# Allegro board BeagleBoard-X15_RevA2.brd (continued)
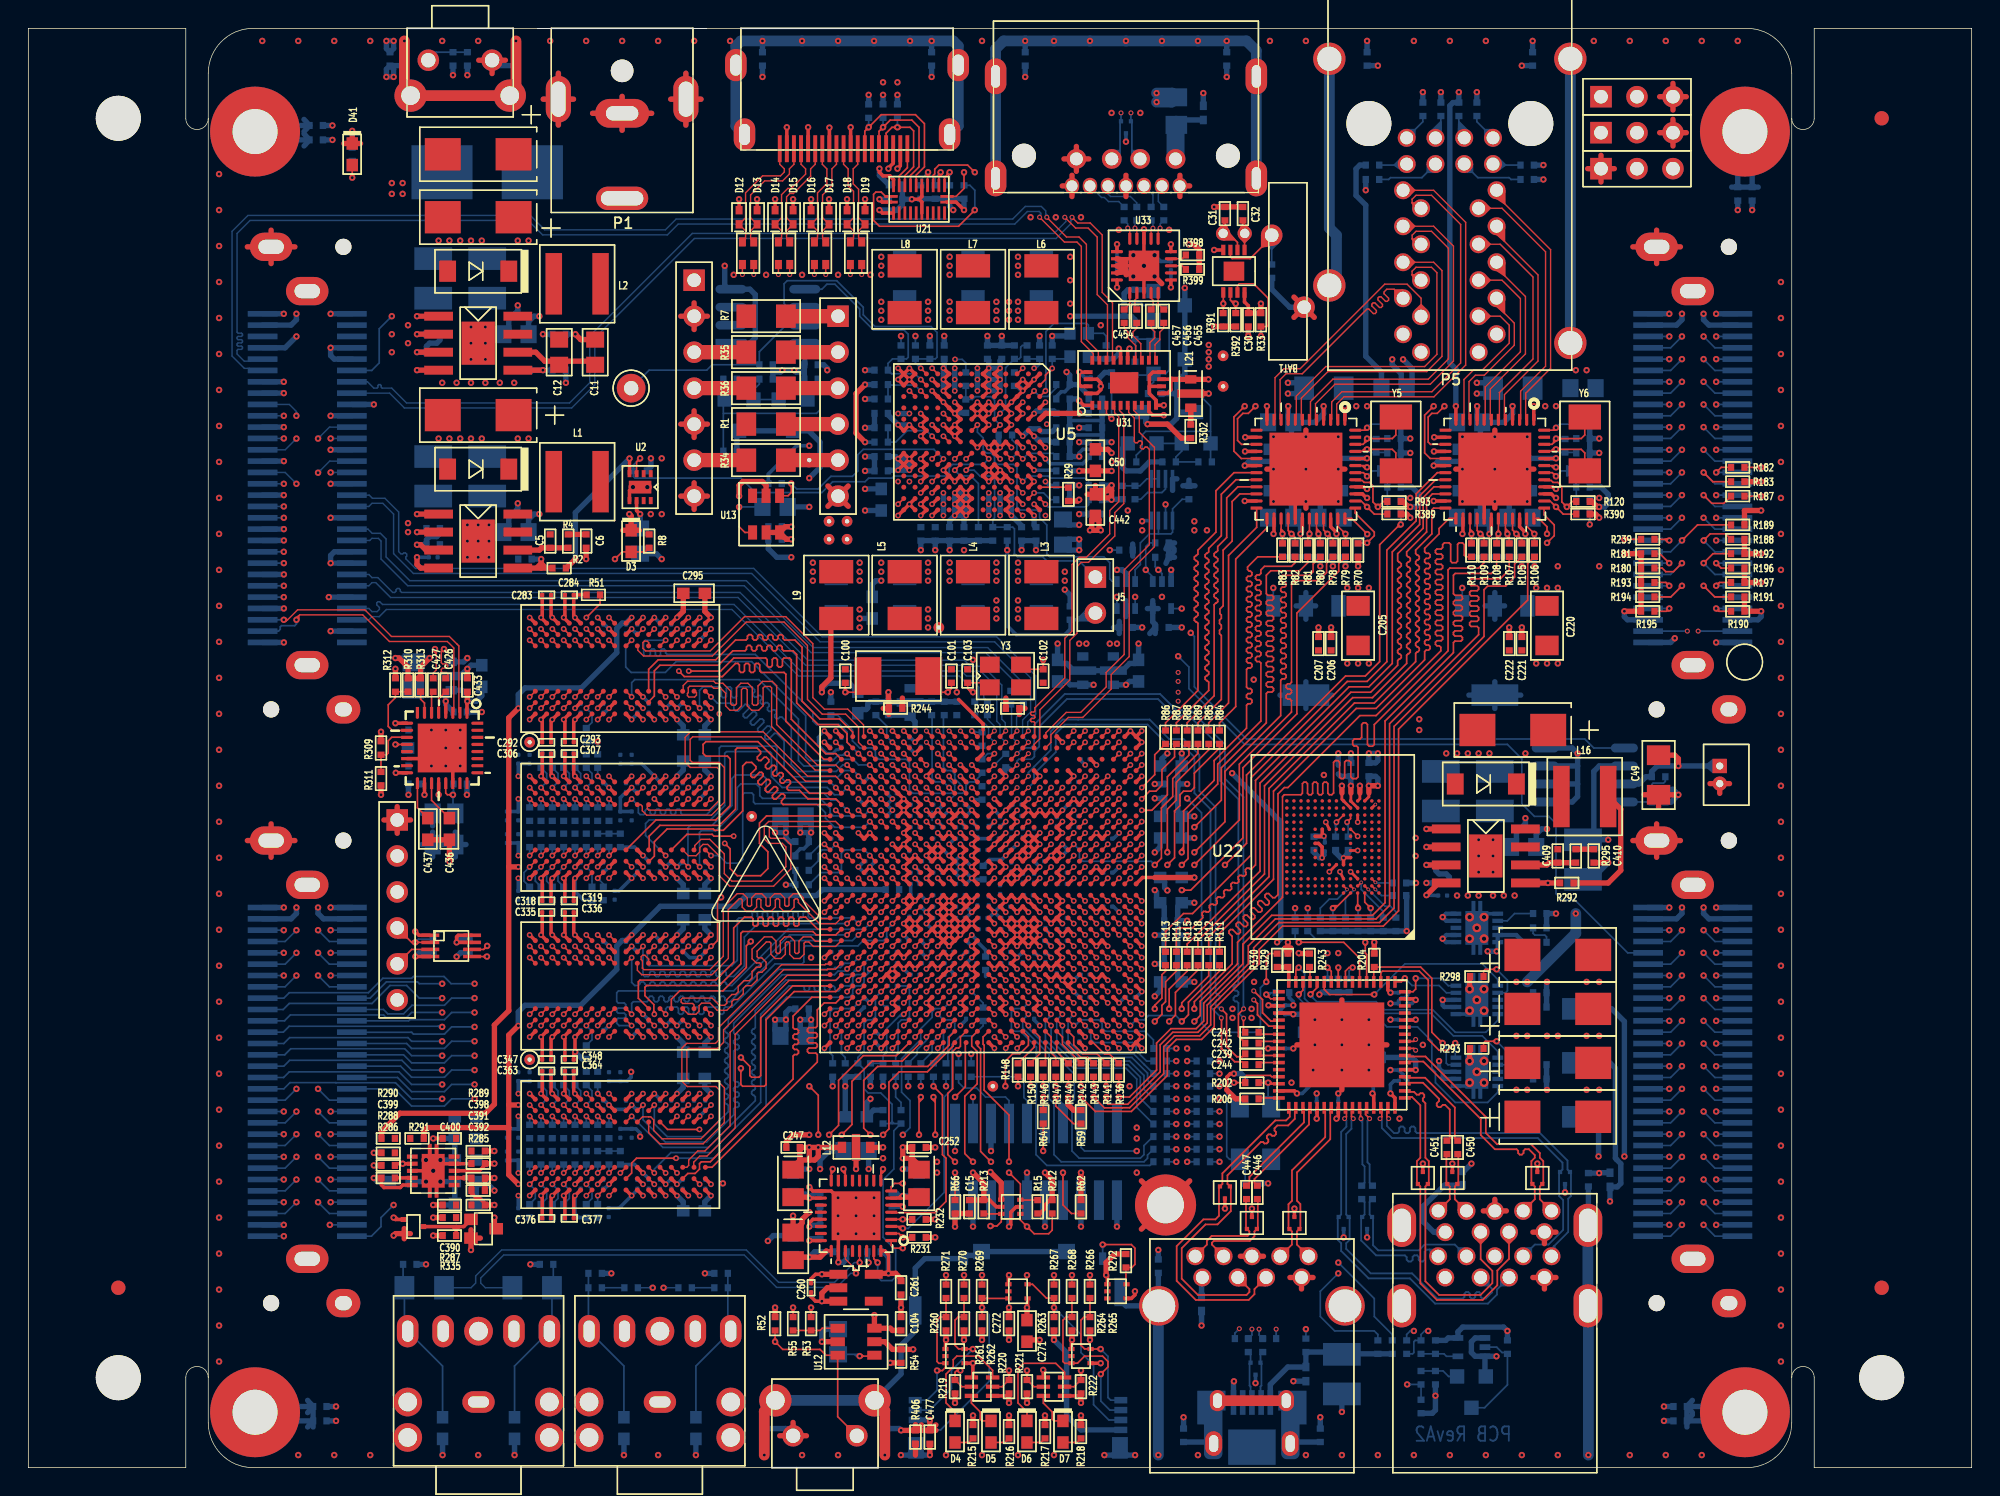
[diagram p0: board, top side]
## Routing (per net, layer and track width the routed paths; a pad name or vN(x,y) marks a point on that pad's centre or on a via; arc(x,y) is an arc through that point) (continued)
CON_MMC1_DAT3: length 13.3
  TOP w0.12: v2(75.69,6.6) 76.2,7.11 76.2,7.49 75.82,7.87 74.55,7.87 74.05,7.37 D22.3 73.61,7.37 73.15,7.37 73.03,7.49 73.03,10.41 73.25,10.63 R264.2 R268.2
  BOTTOM w0.12: P12.2 76.33,4.06 75.69,4.7 v2(75.69,6.6)
CONN_SATA_RXN: length 1.4
  TOP w0.102: U33.12 79.24,87.35 v3(79.38,87.49)
  BOTTOM w0.102: v3(79.38,87.49) 79.38,87.92 C418.2
CONN_SATA_RXP: length 1.5
  TOP w0.102: U33.11 79.74,87.36 v3(79.88,87.5)
  BOTTOM w0.102: v3(79.88,87.5) 79.88,87.79 C420.2
CONN_SATA_TXN: length 1.4
  TOP w0.102: v3(78.11,87.5) 78.24,87.37 U33.14
  BOTTOM w0.102: C417.2 78.11,87.92 v3(78.11,87.5)
CONN_SATA_TXP: length 1.5
  TOP w0.102: U33.15 77.74,87.36 v3(77.6,87.5)
  BOTTOM w0.102: C416.1 77.6,87.79 v3(77.6,87.5)
CPU_NMIN: length 5.6
  TOP w0.12: U11.D21 v1(61.79,32.01)
  BOTTOM w0.12: v1(61.79,32.01) 61.6,32.01 60.59,31 60.59,29.34 60.33,29.08 R46.2 R47.1
CPU_POR_RESETN: length 79
  TOP w0.12: R53.2 v2(55.25,11.3)
  INT_L3 w0.094: v2(76.33,64.77) 76.33,61.96 v2(76.82,61.47) 76.82,60.57 75.82,59.56 75.82,49.91 76.58,49.15 76.58,47.88 76.84,47.62 77.09,47.62 77.34,47.37 77.34,47.12 78.41,46.05 78.66,46.05 78.99,45.72 78.99,25.91 77.47,24.38 77.47,14.22 75.31,12.06 57.02,12.06 56.26,11.3 v2(55.25,11.3)
  BOTTOM w0.12: v2(76.33,64.77) R41.2 ; U9.6 v2(76.82,61.47)
CPU_RESETN: length 80.7
  TOP w0.12: R55.1 v2(53.98,11.3)
  INT_L3 w0.094: v2(53.98,11.3) 54.48,10.79 56.26,10.79 57.28,11.81 75.56,11.81 77.72,13.97 77.72,24.13 79.25,25.65 79.25,30.61 79.99,31.35 79.99,48.28 79.5,48.77 79.5,51.82 78.74,52.58 78.74,58.17 79.25,58.67 79.25,60.45 78.74,60.96 78.74,63.25 v2(78.87,63.37)
  BOTTOM w0.12: R42.2 79.12,65.28 78.87,65.02 v2(78.87,63.37) 79.36,62.88 U10.1
DCAN1_RX: length 61.8
  TOP w0.12: U11.G19 v1(63.39,34.41)
  SIG_L10 w0.094: v2(20.45,25.14) 20.8,25.49 21.48,25.49 21.67,25.31 29.3,25.31 32.64,21.97 33.15,21.97 33.91,21.21 33.91,18.8 34.54,18.16 48.39,18.16 50.55,20.32 50.55,25.02 55.75,30.23 55.75,32.13 56.8,33.18 62.77,33.18 62.99,33.4 62.99,34.04 63.36,34.41 v1(63.39,34.41)
  BOTTOM w0.12: P17.20 21.25,24.34 v2(20.45,25.14)
DCAN1_TX: length 62.9
  TOP w0.12: U11.G20 v1(62.59,34.41)
  SIG_L10 w0.094: v2(18.92,25.14) 19.5,25.71 21.57,25.71 21.76,25.53 30.23,25.53 34.16,21.59 34.16,18.92 34.67,18.41 48.26,18.41 50.29,20.45 50.29,25.15 53.98,28.83 53.98,31.88 56.13,34.03 62.22,34.03 62.59,34.39 v1(62.59,34.41)
  BOTTOM w0.12: v2(18.92,25.14) 18.12,24.34 P17.50
DDR1_A0: length 51.4
  TOP w0.12: U11.AD20 v1(62.59,48.81) ; v1(37.78,58.41) U23.N3 ; v1(37.78,47.21) U24.N3
  INT_L3 w0.094: v1(37.78,58.41) 37.78,57.91 38.61,57.09 38.61,55.88 37.38,54.65 37.38,47.61 v1(37.78,47.21)
  SIG_L5 w0.094: v1(37.78,58.41) 37.78,58.64 38.18,59.04 38.18,59.37 38.42,59.61 40.34,59.61 40.63,59.32 40.63,58.05 43.81,54.86 43.81,52.58 45.59,50.8 52.58,50.8 56.55,46.83 63.59,46.83 63.81,47.05 63.81,48.08 63.5,48.39 63,48.39 v1(62.59,48.81)
  BOTTOM w0.12: R364.1 v1(37.78,47.21)
DDR1_A1: length 51.4
  TOP w0.12: v1(36.98,43.21) U24.P7 ; v1(36.98,54.41) U23.P7 ; U11.AC19 v1(63.39,48.01)
  SIG_L10 w0.094: v1(63.39,48.01) 63.39,48.23 63.76,48.61 63.76,51.43 63.61,51.58 63.23,51.58 62.99,51.82 62.99,53.21 58.55,57.66 38.1,57.66 36.45,56.01 36.45,54.94 v1(36.98,54.41) 36.58,54.01 36.58,52.52 37.03,52.07 37.03,49.66 36.58,49.21 36.58,46.81 37.03,46.35 37.03,44.39 36.58,43.94 36.58,43.61 v1(36.98,43.21)
  BOTTOM w0.12: R365.1 v1(36.98,43.21)
DDR1_A2: length 51.5
  TOP w0.12: U11.AC20 v1(62.59,48.01) ; v1(36.98,58.41) U23.P3 ; v1(36.98,47.21) U24.P3
  INT_L3 w0.094: v1(36.98,58.41) 36.98,57.91 37.85,57.05 37.85,55.88 36.58,54.62 36.58,47.61 v1(36.98,47.21)
  SIG_L5 w0.094: v1(62.59,48.01) 62.2,48.39 60.83,48.39 60.58,48.64 60.58,49.02 60.33,49.28 55.37,49.28 52.83,51.82 46.28,51.82 45.34,52.75 45.34,57.28 44.58,58.04 44.58,60.2 43.94,60.83 37.85,60.83 37.38,60.37 37.38,59.04 36.98,58.64 v1(36.98,58.41)
  BOTTOM w0.12: R371.1 v1(36.98,47.21)
DDR1_A3: length 51.9
  TOP w0.12: v1(37.78,48.01) U24.N2 ; U11.AB19 v1(63.39,47.21) ; v1(37.78,59.21) U23.N2
  SIG_L5 w0.094: v1(63.39,47.21) 63.01,47.58 60.11,47.58 59.82,47.88 59.82,48.13 59.56,48.39 55.63,48.39 52.7,51.31 45.85,51.31 44.58,52.58 44.58,57.02 44.13,57.47 42.1,57.47 41.91,57.66 41.91,60.2 41.66,60.45 38.4,60.45 38.18,60.23 38.18,59.79 37.78,59.39 v1(37.78,59.21) 37.78,59.08 37.38,58.68 37.38,57.91 37.85,57.45 37.85,55.33 37.38,54.86 37.38,52.45 37.85,51.99 37.85,49.74 37.38,49.28 37.38,48.41 v1(37.78,48.01)
  BOTTOM w0.12: v1(37.78,48.01) 38.18,48.41 38.18,49 R376.1
DDR1_A4: length 52.1
  TOP w0.12: v1(36.98,42.41) U24.P8 ; v1(36.98,53.61) U23.P8 ; U11.AF21 v1(61.79,50.41)
  SIG_L8 w0.094: v1(61.79,50.41) 62.21,49.98 62.21,48.62 61.97,48.38 56.46,48.38 56.38,48.3 56.38,48.09 56.3,48.01 56.18,48.01 56.1,48.09 56.1,48.3 56.01,48.38 55.9,48.38 55.82,48.3 55.82,48.09 55.73,48.01 55.62,48.01 55.53,48.09 55.53,48.3 55.45,48.38 55.33,48.38 55.25,48.3 55.25,48.09 55.17,48.01 55.05,48.01 54.97,48.09 54.97,48.3 54.89,48.38 54.77,48.38 54.69,48.3 54.69,48.09 54.61,48.01 54.49,48.01 54.41,48.09 54.41,48.3 54.32,48.38 54.21,48.38 54.12,48.3 54.12,48.09 54.04,48.01 53.92,48.01 53.84,48.09 53.84,48.3 53.76,48.38 53.64,48.38 53.56,48.3 53.56,48.09 53.48,48.01 53.36,48.01 53.28,48.09 53.28,48.3 53.2,48.38 53.08,48.38 53,48.3 53,48.09 52.91,48.01 52.8,48.01 52.71,48.09 52.71,48.3 52.63,48.38 52.51,48.38 52.43,48.3 52.43,48.09 52.35,48.01 50.16,48.01 48.51,49.66 40.26,49.66 39.78,50.13 39.78,53.82 39.59,54.01 U23.P8 v1(36.98,53.61) 36.58,53.21 36.58,52.32 37.08,51.82 37.08,49.78 36.58,49.28 36.58,46.74 37.08,46.23 37.08,44.19 36.58,43.69 36.58,42.81 v1(36.98,42.41)
  BOTTOM w0.12: v1(36.98,42.41) 36.58,42.01 36.58,41.41 R366.1
DDR1_A5: length 52.2
  TOP w0.12: v1(36.98,59.21) U23.P2 ; U11.AH22 v1(60.99,52.01) ; v1(36.98,48.01) U24.P2
  SIG_L5 w0.094: v1(36.98,59.21) 36.98,59.08 36.58,58.68 36.58,57.91 37.08,57.41 37.08,55.37 36.58,54.86 36.58,52.45 37.08,51.95 37.08,49.78 36.58,49.28 36.58,48.41 v1(36.98,48.01)
  SIG_L8 w0.094: v1(36.98,59.21) 36.58,58.8 36.58,57.12 36.67,57.02 37.4,57.02 37.48,57.11 37.48,57.32 37.56,57.4 37.68,57.4 37.76,57.32 37.76,57.11 37.84,57.02 37.96,57.02 38.04,57.11 38.04,57.32 38.13,57.4 38.24,57.4 38.32,57.32 38.32,57.11 38.41,57.02 38.52,57.02 38.61,57.11 38.61,57.32 38.69,57.4 38.81,57.4 38.89,57.32 38.89,57.11 38.97,57.02 39.09,57.02 39.17,57.11 39.17,57.32 39.25,57.4 39.37,57.4 39.45,57.32 39.45,57.11 39.54,57.02 39.65,57.02 39.73,57.11 39.73,57.32 39.82,57.4 39.93,57.4 40.02,57.32 40.02,57.11 40.1,57.02 40.22,57.02 40.3,57.11 40.3,57.32 40.38,57.4 40.5,57.4 40.58,57.32 40.58,57.11 40.66,57.02 40.78,57.02 40.86,57.11 40.86,57.32 40.95,57.4 41.06,57.4 41.14,57.32 41.14,57.11 41.23,57.02 41.34,57.02 41.43,57.11 41.43,57.32 41.51,57.4 41.63,57.4 41.71,57.32 41.71,57.12 41.8,57.02 47.62,57.02 48.01,56.64 48.01,56.52 47.93,56.45 47.93,56.33 48.02,56.25 48.13,56.25 48.21,56.32 48.32,56.32 48.41,56.24 48.41,56.12 48.33,56.05 48.33,55.93 48.42,55.85 48.53,55.85 48.61,55.92 48.72,55.92 48.81,55.84 48.81,55.73 48.73,55.65 48.73,55.53 48.81,55.45 48.93,55.45 49.01,55.53 49.12,55.53 49.2,55.44 49.2,55.33 49.13,55.25 49.13,55.14 49.21,55.05 49.33,55.05 49.4,55.13 49.52,55.13 49.6,55.04 49.6,54.93 49.53,54.85 49.53,54.74 49.61,54.65 49.73,54.65 49.8,54.73 49.92,54.73 50,54.65 50,54.53 49.93,54.46 49.93,54.34 50.01,54.26 50.13,54.26 50.2,54.33 50.32,54.33 50.4,54.25 50.4,54.13 50.33,54.06 50.33,53.94 50.41,53.86 50.53,53.86 50.6,53.93 50.72,53.93 50.8,53.85 50.8,53.73 50.73,53.66 50.73,53.54 50.81,53.46 50.93,53.46 51,53.53 51.12,53.53 51.2,53.45 51.2,53.33 51.12,53.26 51.12,53.14 51.21,53.06 51.32,53.06 51.4,53.13 51.51,53.13 52.01,52.64 60.35,52.64 v1(60.99,52.01)
  BOTTOM w0.12: v1(36.98,48.01) 37.38,48.41 37.38,49 R367.1
DDR1_A6: length 52.6
  TOP w0.12: v1(36.18,53.61) U23.R8 ; U11.AG23 v1(60.19,51.21) ; v1(36.18,42.41) U24.R8
  SIG_L8 w0.094: v1(36.18,42.41) 35.78,42.81 35.78,43.69 36.2,44.1 36.2,46.32 35.78,46.74 35.78,49.28 36.32,49.82 36.32,51.78 35.78,52.32 35.78,53.21 v1(36.18,53.61) 35.78,54.01 35.78,54.83 36.2,55.24 41.02,55.24 41.4,54.86 41.4,50.67 41.66,50.42 48.77,50.42 49.53,49.66 54.26,49.66 54.35,49.74 54.35,49.96 54.43,50.04 54.55,50.04 54.63,49.96 54.63,49.74 54.71,49.66 54.83,49.66 54.91,49.74 54.91,49.96 54.99,50.04 55.11,50.04 55.19,49.96 55.19,49.74 55.27,49.66 55.39,49.66 55.47,49.74 55.47,49.96 55.56,50.04 55.67,50.04 55.76,49.96 55.76,49.74 55.84,49.66 55.96,49.66 56.04,49.74 56.04,49.96 56.12,50.04 56.24,50.04 56.32,49.96 56.32,49.74 56.4,49.66 56.52,49.66 56.6,49.74 56.6,49.96 56.68,50.04 56.8,50.04 56.88,49.96 56.88,49.74 56.97,49.66 57.08,49.66 57.45,50.03 61.2,50.03 61.36,50.19 61.36,50.65 61.21,50.8 60.83,50.8 60.43,51.21 v1(60.19,51.21)
  BOTTOM w0.12: R381.1 35.78,41.41 35.78,42.01 v1(36.18,42.41)
DDR1_A7: length 52.1
  TOP w0.12: U11.AE21 v1(61.79,49.61) ; v1(36.18,59.21) U23.R2 ; v1(36.18,48.01) U24.R2
  SIG_L5 w0.094: v1(61.79,49.61) 61.36,50.03 61.36,50.52 61.09,50.8 55.12,50.8 53.15,52.77 50.36,52.77 49.4,53.72 49.4,59.31 47.12,61.59 37.08,61.59 35.78,60.29 35.78,59.61 v1(36.18,59.21) 35.78,58.81 35.78,57.91 36.32,57.37 36.32,55.4 35.78,54.86 35.78,52.45 36.2,52.04 36.2,49.69 35.78,49.28 35.78,48.41 v1(36.18,48.01)
  BOTTOM w0.12: R369.1 36.58,49 36.58,48.41 v1(36.18,48.01)
DDR1_A8: length 52.4
  TOP w0.12: v1(35.38,53.61) U23.T8 ; U11.AF22 v1(60.99,50.41) ; v1(35.38,42.41) U24.T8
  SIG_L8 w0.094: v1(35.38,42.41) 34.98,42.81 34.98,43.69 35.43,44.14 35.43,46.41 34.98,46.86 34.98,49.28 34.54,49.71 34.54,52.01 34.98,52.45 34.98,53.21 v1(35.38,53.61) 34.92,54.06 34.92,54.74 35.81,55.63 41.28,55.63 41.78,55.12 41.78,51.05 42.04,50.8 48.89,50.8 49.28,50.42 52.91,50.42 52.99,50.5 52.99,50.72 53.08,50.8 53.19,50.8 53.28,50.72 53.28,50.5 53.36,50.42 53.48,50.42 53.56,50.5 53.56,50.72 53.64,50.8 53.76,50.8 53.84,50.72 53.84,50.5 53.92,50.42 54.15,50.42 54.24,50.5 54.24,50.72 54.32,50.8 54.43,50.8 54.52,50.72 54.52,50.5 54.6,50.42 54.72,50.42 54.8,50.5 54.8,50.72 54.88,50.8 55,50.8 55.08,50.72 55.08,50.5 55.16,50.42 55.28,50.42 55.36,50.5 55.36,50.72 55.45,50.8 55.56,50.8 55.65,50.72 55.65,50.5 55.73,50.42 55.84,50.42 55.93,50.5 55.93,50.72 56.01,50.8 56.13,50.8 56.21,50.72 56.21,50.5 56.29,50.42 56.41,50.42 56.49,50.5 56.49,50.72 56.57,50.8 56.69,50.8 56.77,50.72 56.77,50.5 56.86,50.42 56.97,50.42 57.05,50.5 57.05,50.72 57.14,50.8 60.33,50.8 60.72,50.41 v1(60.99,50.41)
  BOTTOM w0.12: R383.1 34.98,41.41 34.98,42.01 v1(35.38,42.41)
DDR1_A9: length 50.9
  TOP w0.12: v1(36.18,58.41) U23.R3 ; v1(36.18,47.21) U24.R3 ; U11.AE22 v1(60.99,49.61)
  INT_L3 w0.094: v1(36.18,47.21) 35.78,47.61 35.78,54.58 37.08,55.88 37.08,57.01 36.18,57.91 v1(36.18,58.41)
  SIG_L5 w0.094: v1(60.99,49.61) 60.55,50.04 55.25,50.04 52.96,52.32 47.18,52.32 47.01,52.5 47.01,60.18 45.97,61.21 37.21,61.21 36.58,60.59 36.58,59.04 36.18,58.64 v1(36.18,58.41)
  BOTTOM w0.12: R368.1 v1(36.18,47.21)
DDR1_A10: length 51.2
  TOP w0.12: v1(39.38,54.41) U23.L7 ; v1(39.38,43.21) U24.L7 ; U11.AD21 v1(61.79,48.81)
  SIG_L10 w0.094: v1(39.38,43.21) 38.98,43.61 38.98,43.94 39.43,44.39 39.43,46.35 38.98,46.81 38.98,49.21 39.43,49.66 39.43,52.07 38.98,52.52 38.98,54.01 v1(39.38,54.41) 39.38,55.51 40.56,56.69 50.43,56.69 50.93,56.18 50.93,55.96 51.02,55.88 51.13,55.88 51.21,55.96 51.21,56.18 51.3,56.27 51.41,56.27 51.5,56.18 51.5,55.96 51.58,55.88 51.7,55.88 51.78,55.96 51.78,56.18 51.86,56.27 51.98,56.27 52.06,56.18 52.06,55.96 52.14,55.88 52.26,55.88 52.34,55.96 52.34,56.18 52.42,56.27 52.54,56.27 52.62,56.18 52.62,55.96 52.71,55.88 52.82,55.88 52.91,55.96 52.91,56.18 52.99,56.27 53.11,56.27 53.19,56.18 53.19,55.96 53.27,55.88 53.39,55.88 53.47,55.96 53.47,56.18 53.55,56.27 53.67,56.27 53.75,56.18 53.75,55.96 53.83,55.88 53.95,55.88 54.03,55.96 54.03,56.18 54.12,56.27 54.23,56.27 54.32,56.18 54.32,55.96 54.4,55.88 54.52,55.88 54.6,55.96 54.6,56.18 54.68,56.27 54.8,56.27 54.88,56.18 54.88,55.96 54.96,55.88 55.08,55.88 55.16,55.96 55.16,56.18 55.24,56.27 55.36,56.27 55.44,56.18 55.44,55.96 55.53,55.88 55.64,55.88 55.73,55.96 55.73,56.18 55.81,56.27 55.92,56.27 56.01,56.18 56.01,55.96 56.09,55.88 56.21,55.88 56.29,55.96 56.29,56.18 56.37,56.27 56.49,56.27 56.57,56.18 56.57,55.96 56.65,55.88 56.77,55.88 56.85,55.96 56.85,56.18 56.94,56.27 57.91,56.27 58.55,55.63 58.55,54.1 59.18,53.47 60.33,53.47 60.58,53.21 60.58,51.69 60.69,51.58 61.14,51.58 61.36,51.36 61.36,49.23 v1(61.79,48.81)
  BOTTOM w0.12: R373.1 v1(39.38,43.21)
DDR1_A11: length 50.7
  TOP w0.12: v1(36.18,54.41) U23.R7 ; U11.AD22 v1(60.99,48.81) ; v1(36.18,43.21) U24.R7
  SIG_L8 w0.094: v1(36.18,54.41) 36.64,54.86 40.39,54.86 40.58,54.67 40.58,51.43 40.59,51.43 40.59,51.09 40.58,51.09 40.58,50.22 40.77,50.04 48.64,50.04 49.78,48.9 50.36,48.9 50.44,48.98 50.44,49.15 50.52,49.23 50.64,49.23 50.72,49.15 50.72,48.98 50.8,48.9 50.92,48.9 51,48.98 51,49.15 51.09,49.23 51.2,49.23 51.29,49.15 51.29,48.98 51.37,48.9 51.48,48.9 51.57,48.98 51.57,49.15 51.65,49.23 51.77,49.23 51.85,49.15 51.85,48.98 51.93,48.9 52.05,48.9 52.13,48.98 52.13,49.15 52.21,49.23 52.33,49.23 52.41,49.15 52.41,48.98 52.5,48.9 52.61,48.9 52.7,48.98 52.7,49.15 52.78,49.23 52.89,49.23 52.98,49.15 52.98,48.98 53.06,48.9 53.18,48.9 53.26,48.98 53.26,49.15 53.34,49.23 53.46,49.23 53.54,49.15 53.54,48.98 53.62,48.9 53.74,48.9 53.82,48.98 53.82,49.15 53.91,49.23 54.02,49.23 54.1,49.15 54.1,48.98 54.19,48.9 54.3,48.9 54.39,48.98 54.39,49.15 54.47,49.23 54.59,49.23 54.67,49.15 54.67,48.98 54.75,48.9 54.87,48.9 54.95,48.98 54.95,49.15 55.03,49.23 55.15,49.23 55.23,49.15 55.23,48.98 55.32,48.9 55.43,48.9 55.51,48.98 55.51,49.15 55.6,49.23 55.71,49.23 55.8,49.15 55.8,48.98 55.88,48.9 56,48.9 56.08,48.98 56.08,49.15 56.16,49.23 56.28,49.23 56.36,49.15 56.36,48.98 56.44,48.9 56.56,48.9 56.64,48.98 56.64,49.15 56.72,49.23 56.84,49.23 56.92,49.15 56.92,48.98 57.01,48.9 57.12,48.9 57.21,48.98 57.21,49.15 57.29,49.23 60.56,49.23 v1(60.99,48.81)
  SIG_L10 w0.094: v1(36.18,43.21) 35.78,43.61 35.78,43.94 36.23,44.39 36.23,46.35 35.78,46.81 35.78,49.21 36.23,49.66 36.23,52.07 35.78,52.52 35.78,54.01 v1(36.18,54.41)
  BOTTOM w0.12: R380.1 v1(36.18,43.21)
DDR1_A12: length 51.1
  TOP w0.12: v1(37.78,54.41) U23.N7 ; U11.AC21 v1(61.79,48.01) ; v1(37.78,43.21) U24.N7
  SIG_L10 w0.094: v1(61.79,48.01) 62.05,48.01 62.48,48.43 62.78,48.43 62.99,48.64 62.99,51.36 62.72,51.63 62.42,51.63 62.21,51.84 62.21,53.11 61.09,54.23 59.63,54.23 59.29,54.57 59.29,56.03 57.98,57.34 38.41,57.34 37.21,56.13 37.21,54.98 v1(37.78,54.41) 37.38,54.01 37.38,52.52 37.83,52.07 37.83,49.66 37.38,49.21 37.38,46.81 37.83,46.35 37.83,44.39 37.38,43.94 37.38,43.61 v1(37.78,43.21)
  BOTTOM w0.12: R379.1 v1(37.78,43.21)
DDR1_A13: length 51.1
  TOP w0.12: U11.AF18 v1(64.19,50.41) ; v1(35.38,47.21) U24.T3 ; v1(35.38,58.41) U23.T3
  INT_L3 w0.094: v1(35.38,47.21) 34.98,47.61 34.98,54.57 36.32,55.91 36.32,57.02 35.38,57.96 v1(35.38,58.41) 35.78,58.81 35.78,60.17 37.72,62.1 52.07,62.1 58.8,55.37 59.18,55.37 62.16,52.39 62.16,51.89 62.43,51.63 62.7,51.63 62.96,51.36 62.96,51.02 63.18,50.8 63.79,50.8 v1(64.19,50.41)
  BOTTOM w0.12: R370.1 v1(35.38,47.21)
DDR1_A14: length 51.1
  TOP w0.12: v1(35.38,54.41) U23.T7 ; v1(35.38,43.21) U24.T7 ; U11.AE17 v1(64.99,49.61)
  SIG_L10 w0.094: v1(35.38,43.21) 34.98,43.61 34.98,43.94 35.43,44.39 35.43,46.35 34.98,46.81 34.98,49.21 34.54,49.64 34.54,52.08 34.98,52.52 34.98,54.01 v1(35.38,54.41) 35.38,55.45 37.97,58.04 58.8,58.04 64.56,52.28 64.56,50.03 v1(64.99,49.61)
  BOTTOM w0.12: R382.1 v1(35.38,43.21)
DDR1_A15: length 51.4
  TOP w0.12: U11.AD18 v1(64.19,48.81) ; v1(38.58,43.21) U24.M7 ; v1(38.58,54.41) U23.M7
  SIG_L10 w0.094: v1(38.58,43.21) 38.18,43.61 38.18,43.94 38.63,44.39 38.63,46.35 38.18,46.81 38.18,49.21 38.63,49.66 38.63,52.07 38.18,52.52 38.18,54.01 v1(38.58,54.41) 38.58,55.35 40.25,57.01 57.67,57.01 58.93,55.75 58.93,54.36 59.44,53.85 60.58,53.85 61.36,53.06 61.36,51.82 61.6,51.58 61.96,51.58 62.17,51.37 62.17,48.61 61.94,48.39 61.63,48.39 61.41,48.16 61.41,47.81 61.59,47.62 63.62,47.62 63.81,47.82 63.81,48.16 64.19,48.54 v1(64.19,48.81)
  BOTTOM w0.12: R375.1 v1(38.58,43.21)
DDR1_BA0: length 52.3
  TOP w0.12: U11.AF17 v1(64.99,50.41) ; v1(38.58,59.21) U23.M2 ; v1(38.58,48.01) U24.M2
  SIG_L5 w0.094: v1(38.58,59.21) 38.58,59.08 38.18,58.68 38.18,57.91 38.61,57.49 38.61,55.29 38.18,54.86 38.18,52.37 38.61,51.94 38.61,49.7 38.18,49.28 38.18,48.41 v1(38.58,48.01)
  SIG_L8 w0.094: v1(64.99,50.41) 64.99,50.67 64.56,51.09 64.56,51.36 64.34,51.58 64.08,51.58 63.76,51.89 63.76,52.19 62.02,53.93 54.28,53.93 52.99,55.21 52.88,55.21 52.74,55.07 52.62,55.07 52.54,55.16 52.54,55.27 52.68,55.41 52.68,55.53 52.6,55.61 52.48,55.61 52.34,55.47 52.22,55.47 52.14,55.55 52.14,55.67 52.28,55.81 52.28,55.92 52.2,56.01 52.08,56.01 51.94,55.87 51.83,55.87 51.74,55.95 51.74,56.07 51.88,56.21 51.88,56.32 51.8,56.41 51.68,56.41 51.54,56.27 51.43,56.27 51.34,56.35 51.34,56.47 51.48,56.61 51.48,56.72 51.4,56.8 51.28,56.8 51.15,56.67 51.03,56.67 50.95,56.75 50.95,56.87 51.08,57 51.08,57.12 51,57.2 50.88,57.2 50.75,57.07 50.63,57.07 50.55,57.15 50.55,57.27 50.68,57.4 50.68,57.52 50.6,57.6 50.48,57.6 50.35,57.47 50.23,57.47 50.15,57.55 50.15,57.66 50.29,57.8 50.29,57.92 50.2,58 50.09,58 49.95,57.86 49.83,57.86 49.75,57.95 49.75,58.06 49.89,58.2 49.89,58.32 49.8,58.4 49.69,58.4 49.55,58.26 49.43,58.26 49.35,58.35 49.35,58.46 49.49,58.6 49.49,58.72 49.41,58.8 49.29,58.8 49.15,58.66 49.03,58.66 48.95,58.74 48.95,58.86 49.09,59 49.09,59.11 49.01,59.2 48.89,59.2 48.75,59.06 48.64,59.06 48.55,59.14 48.55,59.26 48.69,59.4 48.69,59.51 48.6,59.61 38.98,59.61 v1(38.58,59.21)
  BOTTOM w0.12: R363.1 38.98,49 38.98,48.41 v1(38.58,48.01)
DDR1_BA1: length 52.1
  TOP w0.12: v1(37.78,42.41) U24.N8 ; v1(37.78,53.61) U23.N8 ; U11.AE18 v1(64.19,49.61)
  SIG_L8 w0.094: v1(37.78,42.41) 37.38,42.81 37.38,43.69 37.85,44.15 37.85,46.27 37.38,46.74 37.38,49.28 37.85,49.74 37.85,51.86 37.38,52.32 37.38,53.21 v1(37.78,53.61) 38.18,53.21 38.75,53.21 38.98,52.97 38.98,50.04 39.75,49.28 48.39,49.28 50.42,47.24 52.32,47.24 52.4,47.33 52.4,47.55 52.48,47.63 52.6,47.63 52.68,47.55 52.68,47.33 52.77,47.24 52.88,47.24 52.97,47.33 52.97,47.55 53.05,47.63 53.17,47.63 53.25,47.55 53.25,47.33 53.33,47.24 53.45,47.24 53.53,47.33 53.53,47.55 53.61,47.63 53.73,47.63 53.81,47.55 53.81,47.33 53.89,47.24 54.01,47.24 54.09,47.33 54.09,47.55 54.18,47.63 54.29,47.63 54.38,47.55 54.38,47.33 54.46,47.24 54.57,47.24 54.66,47.33 54.66,47.55 54.74,47.63 54.86,47.63 54.94,47.55 54.94,47.33 55.02,47.24 55.14,47.24 55.22,47.33 55.22,47.55 55.3,47.63 55.42,47.63 55.5,47.55 55.5,47.33 55.59,47.24 55.7,47.24 55.79,47.33 55.79,47.55 55.87,47.63 55.98,47.63 56.07,47.55 56.07,47.33 56.15,47.24 56.27,47.24 56.35,47.33 56.35,47.55 56.43,47.63 62.74,47.63 62.96,47.85 62.96,47.88 63.01,47.92 63.01,48.16 63.23,48.38 63.5,48.38 63.76,48.65 63.76,49.18 v1(64.19,49.61)
  BOTTOM w0.12: v1(37.78,42.41) 37.38,42.01 37.38,41.41 R377.1
DDR1_BA2: length 50.8
  TOP w0.12: v1(38.58,58.41) U23.M3 ; v1(38.58,47.21) U24.M3 ; U11.AB18 v1(64.19,47.21)
  INT_L3 w0.094: v1(38.58,47.21) 38.18,47.61 38.18,54.69 39.37,55.88 39.37,57.12 38.58,57.91 v1(38.58,58.41)
  SIG_L8 w0.094: v1(64.19,47.21) 64.19,47.3 64.61,47.72 64.61,48.23 64.81,48.43 65.14,48.43 65.41,48.69 65.41,49.72 65.14,49.98 64.83,49.98 64.61,50.21 64.61,50.56 64.34,50.83 64.03,50.83 63.81,51.05 63.81,51.36 63.54,51.63 63.23,51.63 63.01,51.85 63.01,52.31 61.71,53.6 53.58,53.6 53.36,53.83 53.36,53.94 53.5,54.08 53.5,54.2 53.42,54.28 53.3,54.28 53.16,54.14 53.05,54.14 52.96,54.22 52.96,54.34 53.1,54.48 53.1,54.59 53.02,54.68 52.9,54.68 52.76,54.54 52.65,54.54 48.38,58.81 44.07,58.81 43.99,58.72 43.99,58.63 43.91,58.55 43.79,58.55 43.71,58.63 43.71,58.72 43.62,58.81 43.51,58.81 43.42,58.72 43.42,58.63 43.34,58.55 43.22,58.55 43.14,58.63 43.14,58.72 43.06,58.81 39.22,58.81 38.82,58.41 v1(38.58,58.41)
  BOTTOM w0.12: R378.1 v1(38.58,47.21)
DDR1_CASN: length 51
  TOP w0.12: v1(40.18,58.41) U23.K3 ; U11.AC18 v1(64.19,48.01) ; v1(40.18,47.21) U24.K3
  INT_L3 w0.094: v1(40.18,47.21) 39.78,47.61 39.78,49.31 41.02,50.55 41.02,52.2 40.58,52.64 40.58,54.74 40.89,55.05 40.89,57.4 40.18,58.12 v1(40.18,58.41)
  SIG_L8 w0.094: v1(40.18,58.41) 40.55,58.04 48.64,58.04 48.8,57.88 48.8,57.77 48.66,57.63 48.66,57.51 48.74,57.43 48.86,57.43 49,57.57 49.11,57.57 49.2,57.48 49.2,57.37 49.06,57.23 49.06,57.11 49.14,57.03 49.26,57.03 49.4,57.17 49.51,57.17 49.59,57.09 49.59,56.97 49.46,56.83 49.46,56.71 49.54,56.63 49.66,56.63 49.79,56.77 49.91,56.77 49.99,56.69 49.99,56.57 49.86,56.43 49.86,56.32 49.94,56.23 50.06,56.23 50.19,56.37 50.31,56.37 50.39,56.29 50.39,56.17 50.25,56.03 50.25,55.92 50.34,55.83 50.45,55.83 50.59,55.97 50.71,55.97 50.79,55.89 50.79,55.77 50.65,55.64 50.65,55.52 50.74,55.44 50.85,55.44 50.99,55.57 51.11,55.57 51.19,55.49 51.19,55.37 51.05,55.24 51.05,55.12 51.13,55.04 51.25,55.04 51.39,55.17 51.51,55.17 51.59,55.09 51.59,54.97 51.45,54.84 51.45,54.72 51.53,54.64 51.65,54.64 51.79,54.78 51.9,54.78 51.99,54.69 51.99,54.58 51.85,54.44 51.85,54.32 51.93,54.24 52.05,54.24 52.19,54.38 52.3,54.38 52.39,54.29 52.39,54.18 52.25,54.04 52.25,53.92 52.33,53.84 52.45,53.84 52.59,53.98 52.7,53.98 52.78,53.9 52.78,53.78 52.65,53.64 52.65,53.52 52.73,53.44 52.85,53.44 52.98,53.58 53.1,53.58 53.4,53.28 61.4,53.28 62.21,52.47 62.21,51.85 62.43,51.63 62.7,51.63 63.01,51.32 63.01,51.05 64.03,50.03 64.3,50.03 64.56,49.76 64.56,48.64 64.26,48.34 64.26,48.26 64.19,48.18 v1(64.19,48.01)
  BOTTOM w0.12: R361.1 v1(40.18,47.21)
DDR1_CKE: length 53.2
  TOP w0.12: v1(40.18,41.61) U24.K9 ; v1(40.18,52.81) U23.K9 ; U11.AG22 v1(60.99,51.21)
  SIG_L10 w0.094: v1(40.18,41.61) 39.78,42.01 39.78,43.94 40.13,44.29 40.13,46.39 39.78,46.74 39.78,49.15 40.26,49.63 40.26,50.45 39.78,50.93 39.78,52.41 v1(40.18,52.81) 40.16,52.81 39.78,53.18 39.78,55.15 40.39,55.75 48.89,55.75 49.61,55.04 49.74,55.04 49.84,55.13 49.84,55.42 49.92,55.5 50.03,55.5 50.12,55.42 50.12,55.1 50.2,55.01 50.32,55.01 50.4,55.1 50.4,55.42 50.48,55.5 50.6,55.5 50.68,55.42 50.68,55.1 50.76,55.01 50.88,55.01 50.96,55.1 50.96,55.42 51.05,55.5 51.16,55.5 51.24,55.42 51.24,55.1 51.33,55.01 51.44,55.01 51.53,55.1 51.53,55.42 51.61,55.5 51.73,55.5 51.81,55.42 51.81,55.1 51.89,55.01 52.01,55.01 52.09,55.1 52.09,55.42 52.17,55.5 52.29,55.5 52.37,55.42 52.37,55.1 52.46,55.01 52.57,55.01 52.65,55.1 52.65,55.42 52.74,55.5 52.85,55.5 52.94,55.42 52.94,55.1 53.02,55.01 53.14,55.01 53.22,55.1 53.22,55.42 53.3,55.5 53.42,55.5 53.5,55.42 53.5,55.1 53.58,55.01 53.7,55.01 53.78,55.1 53.78,55.42 53.86,55.5 53.98,55.5 54.06,55.42 54.06,55.22 54.15,55.14 54.26,55.14 54.35,55.22 54.35,55.42 54.43,55.5 54.55,55.5 54.63,55.42 54.63,55.22 54.71,55.14 54.83,55.14 54.91,55.22 54.91,55.42 54.99,55.5 55.11,55.5 55.19,55.42 55.19,55.22 55.27,55.14 55.39,55.14 55.47,55.22 55.47,55.42 55.56,55.5 55.67,55.5 55.76,55.42 55.76,55.22 55.84,55.14 55.96,55.14 56.04,55.22 56.04,55.42 56.12,55.5 56.23,55.5 56.32,55.41 56.32,55.22 56.4,55.14 58.07,55.14 58.17,55.05 58.17,53.85 58.93,53.09 59.56,53.09 59.76,52.89 59.76,51.09 60.06,50.8 60.58,50.8 60.98,51.21 v1(60.99,51.21)
  BOTTOM w0.12: v1(60.99,51.21) 60.59,51.61 60.59,52.35 R333.1 ; R282.1 40.58,41.21 v1(40.18,41.61)
DDR1_CLK0: length 51.2
  TOP w0.12: U11.AG24 v1(59.39,51.21) ; v1(40.98,54.41) U23.J7 ; v1(40.98,43.21) U24.J7
  SIG_L10 w0.094: v1(59.39,51.21) 59.39,51.48 59.26,51.61 58.7,51.61 56.6,53.7 55.81,53.7 55.73,53.62 55.73,51.88 55.41,51.56 54.84,51.56 54.52,51.88 54.52,53.62 54.44,53.7 54.2,53.7 54.11,53.62 54.11,51.88 53.8,51.56 53.22,51.56 52.91,51.88 52.91,53.62 52.83,53.7 52.58,53.7 52.5,53.62 52.5,51.88 52.18,51.56 51.61,51.56 51.29,51.88 51.29,53.62 51.21,53.7 50.97,53.7 50.88,53.62 50.88,51.88 50.8,51.8 50.57,51.56 49.99,51.56 49.68,51.88 49.68,53.83 48.64,54.86 40.88,54.86 40.68,54.67 40.68,54.54 40.82,54.41 v1(40.98,54.41) 41.15,54.41 41.15,54.41 41.31,54.41 41.55,54.17 41.8,53.92 41.8,44.79 40.58,43.57 40.58,43.3 40.68,43.21 v1(40.98,43.21)
  BOTTOM w0.12: R284.1 v1(40.98,43.21)
DDR1_CLK0N: length 51.3
  TOP w0.12: v1(40.18,54.41) U23.K7 ; U11.AH24 v1(59.39,52.01) ; v1(40.18,43.21) U24.K7
  SIG_L10 w0.094: v1(40.18,43.21) 40.18,43.74 41.4,44.96 41.4,53.75 41.15,54.01 40.82,54.01 40.82,54.01 40.64,54.01 40.63,54.01 40.58,54.01 v1(40.18,54.41) 40.18,54.73 40.71,55.26 48.75,55.26 50.08,53.94 50.08,52.04 50.16,51.96 50.4,51.96 50.48,52.04 50.48,53.79 50.8,54.1 51.38,54.1 51.69,53.79 51.69,52.04 51.77,51.96 52.02,51.96 52.1,52.04 52.1,53.79 52.42,54.1 52.99,54.1 53.31,53.79 53.31,52.04 53.39,51.96 53.63,51.96 53.72,52.04 53.72,53.79 54.03,54.1 54.61,54.1 54.92,53.79 54.92,52.04 55,51.96 55.25,51.96 55.33,52.04 55.33,53.79 55.65,54.1 56.77,54.1 58.87,52.01 v1(59.39,52.01)
  BOTTOM w0.12: R283.1 v1(40.18,43.21)
DDR1_CLK_TERM: length 1.6
  BOTTOM w0.12: R283.2 R284.2 C388.2
DDR1_CSN0: length 52.4
  TOP w0.12: v1(39.38,59.21) U23.L2 ; v1(39.38,48.01) U24.L2 ; U11.AH23 v1(60.19,52.01)
  SIG_L5 w0.094: v1(39.38,59.21) 38.98,58.81 38.98,57.91 39.37,57.52 39.37,55.25 38.98,54.86 38.98,52.46 39.37,52.07 39.37,49.66 38.98,49.28 38.98,48.41 v1(39.38,48.01)
  SIG_L8 w0.094: v1(60.19,52.01) 59.88,52.31 51.45,52.31 51.23,52.53 51.11,52.53 51.04,52.46 50.92,52.46 50.84,52.54 50.84,52.65 50.91,52.73 50.91,52.84 50.83,52.93 50.71,52.93 50.64,52.85 50.52,52.85 50.44,52.94 50.44,53.05 50.52,53.13 50.52,53.24 50.43,53.33 50.32,53.33 50.24,53.25 50.13,53.25 50.04,53.34 50.04,53.45 50.12,53.53 50.12,53.64 50.03,53.72 49.92,53.72 49.84,53.65 49.73,53.65 49.64,53.73 49.64,53.85 49.72,53.92 49.72,54.04 49.64,54.12 49.52,54.12 49.44,54.05 49.33,54.05 49.25,54.13 49.25,54.25 49.32,54.32 49.32,54.44 49.24,54.52 49.12,54.52 49.05,54.45 48.93,54.45 48.85,54.53 48.85,54.65 48.92,54.72 48.92,54.84 48.84,54.92 48.72,54.92 48.65,54.85 48.53,54.85 48.45,54.93 48.45,55.05 48.52,55.12 48.52,55.24 48.44,55.32 48.32,55.32 48.25,55.25 48.13,55.25 48.05,55.33 48.05,55.45 48.12,55.52 48.12,55.64 48.04,55.72 47.92,55.72 47.85,55.64 47.73,55.64 47.65,55.73 47.65,55.84 47.72,55.92 47.72,56.03 47.64,56.12 47.52,56.12 47.45,56.04 47.33,56.04 47.25,56.13 47.25,56.24 47.33,56.32 47.33,56.43 47.12,56.64 35.91,56.64 35.81,56.74 35.81,59.44 35.99,59.61 37.95,59.61 38.18,59.37 38.18,59.04 38.42,58.81 38.75,58.81 38.98,59.04 38.98,59.05 39.14,59.21 v1(39.38,59.21)